# KiCad board mainboard.kicad_pcb (continued)
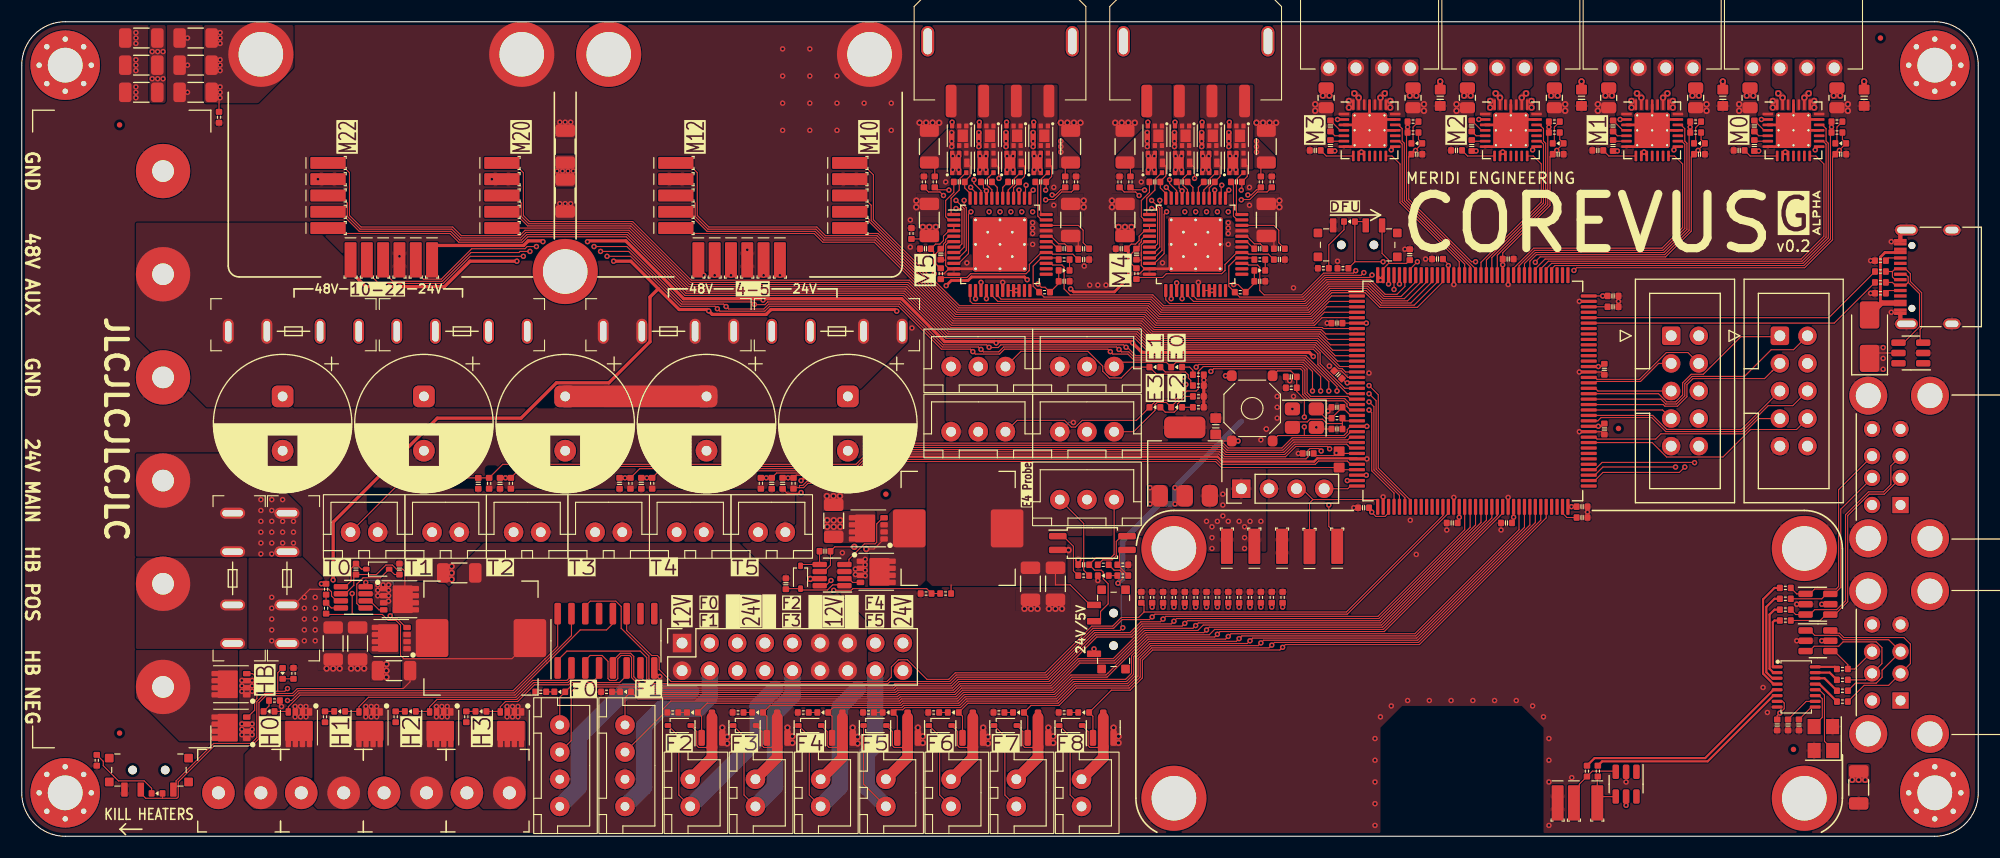
[diagram p0: board, top side]
## Copper pours and planes (outline as drawn; the poured copper is in the pictures) (continued)
GND on Top: 133.9,67.9 132.1,67.9 132.1,66.2 133.9,66.2
GND on Top: 120.9,67.9 119.1,67.9 119.1,66.2 120.9,66.2
GND on Top: 31.05,11 31.05,12.2 33.35,12.2 33.35,11
GND on Top: 32.1,16.25 33.85,16.25 33.85,14.25 32.1,14.25
GND on Top: 73.67,29.63 73.67,31.63 75.92,31.63 75.92,29.63
GND on Top: 102.7,64.05 100.3,64.05 100.3,66.05 102.7,66.05
GND on Top: 31.75,17.25 32.25,16.75 32.25,15.25 27.25,15.25 27.25,17.25
GND on Top: 88.05,10 88.95,10 88.95,8.1 88.05,8.1
GND on Top: 159.9,67.9 158.1,67.9 158.1,66.2 159.9,66.2
GND on Top: 20.25,14.95 21.15,14.95 21.15,12.65 20.25,12.65
GND on Top: 20.25,10.95 21.15,10.95 21.15,8.65 20.25,8.65
GND on Top: 100.05,10.05 100.95,10.05 100.95,8.15 100.05,8.15
GND on Top: 95.3,57.1 95.3,59.2 97.7,59.2 97.7,57.1
GND on Top: 97.7,64.05 95.3,64.05 95.3,66.05 97.7,66.05
GND on Top: 94.05,10.05 94.95,10.05 94.95,8.15 94.05,8.15
GND on Top: 84.7,64.05 82.3,64.05 82.3,66.05 84.7,66.05
GND on Top: 77.9,23.65 76.45,23.65 76.45,25.8 76.7,26.05 77.9,26.05
GND on Top: 82.05,10.05 82.95,10.05 82.95,8.15 82.05,8.15
GND on Top: 105.45,32.35 105.45,30.35 103.55,30.35 103.55,32.35
GND on Top: 49,65.75 51,65.75 51,64.25 49,64.25
GND on Top: 24.55,11 24.55,12.2 26.85,12.2 26.85,11
GND on Top: 34.15,23.5 34.1,23.55 32.4,23.55 32.4,21.3 32.6,21.1 34.15,21.1
GND on Top: 44.05,11 44.05,12.2 46.35,12.2 46.35,11
GND on Top: 37.55,11 37.55,12.2 39.85,12.2 39.85,11
GND on Top: 141.9,67.9 140.1,67.9 140.1,66.2 141.9,66.2
GND on Top: 146.9,67.9 145.1,67.9 145.1,66.2 146.9,66.2
GND on Top: 64.05,10 64.95,10 64.95,8.1 64.05,8.1
GND on Top: 102.7,57.1 102.7,59.2 100.3,59.2 100.3,57.1
GND on Top: 154.9,67.9 153.1,67.9 153.1,66.2 154.9,66.2
GND on Top: 37.85,25.25 39.85,25.25 39.85,23 37.85,23
GND on Top: 76.05,10 76.95,10 76.95,8.1 76.05,8.1
GND on Top: 8.75,74.75 11,74.75 11,67.25 8.75,67.25
GND on Top: 13.75,74.75 16,74.75 16,67.25 13.75,67.25
GND on Top: 113.3,57.1 113.3,59.2 115.7,59.2 115.7,57.1
GND on Top: 70.05,10.05 70.95,10.05 70.95,8.15 70.05,8.15
GND on Top: 84.7,57.1 84.7,59.2 82.3,59.2 82.3,57.1
GND on Top, Bottom, In1.Cu, In2.Cu: 0,75 0,0 180,0 180,75
GND on Bottom, In1.Cu, In2.Cu: 0,33 78,33 83.5,38.5 83.5,44.5 89.5,50.5 163,50.5 171,58.5 171,75 0,75
VDDA on Top: 71.4,32 71.4,34.05 42.7,34.05 42.7,32
VSSA on Top: 71.15,27.6 71.15,32 31.85,32 31.85,27.6 32.35,27.1 70.65,27.1
/Bed_H+ on Top, Bottom: 20.75,17.25 10.5,17.25 10.5,25.75 20.75,25.75
/Bed_H- on Top: 19.9,17.25 19.9,8.75 14.5,8.75 10.5,12.75 10.5,17.25
/F0_V+ on Bottom: 62.2,18.45 61.65,17.9 61.65,15.05 60.75,14.15 60.75,12.6 63.35,12.6 63.35,15.05 64.2,15.9 64.2,17.95 63.7,18.45
/F2_V+ on Bottom: 69.8,18.45 69.25,17.9 69.25,15.05 68.35,14.15 68.35,12.6 70.95,12.6 70.95,15.05 71.8,15.9 71.8,17.95 71.3,18.45
/F4_V+ on Bottom: 77.4,18.45 76.85,17.9 76.85,15.05 75.95,14.15 75.95,12.6 78.55,12.6 78.55,15.05 79.4,15.9 79.4,17.95 78.9,18.45
/Motor 0 (TMC2208)/A1 on Top: 164.7,68.8 165,69.1 165,71.6 163.1,71.6 163.1,66.8 164.7,66.8
/Motor 0 (TMC2208)/A2 on Top: 164.7,66.2 166.3,66.2 166.3,68.2 167.5,69.4 167.5,71.6 164.7,71.6
/Motor 0 (TMC2208)/B1 on Top: 161.3,68.8 161,69.1 161,71.6 162.9,71.6 162.9,66.8 161.3,66.8
/Motor 0 (TMC2208)/B2 on Top: 161.3,66.2 159.7,66.2 159.7,68.2 158.5,69.4 158.5,71.6 161.3,71.6
/Motor 0 (TMC2208)/BRA on Top: 166.4,68.9 166.4,67.9 167.6,67.9 167.6,68.9
/Motor 0 (TMC2208)/BRA on Top: 163.7,66.8 163.7,68.2 164.2,68.7 164.7,68.7 164.7,66.8
/Motor 0 (TMC2208)/BRA on In1.Cu: 167.6,67.4 167.6,70.5 163.1,70.5 163.1,67.4
/Motor 0 (TMC2208)/BRB on Top: 158.4,68.9 158.4,67.9 159.6,67.9 159.6,68.9
/Motor 0 (TMC2208)/BRB on Top: 162.3,66.8 162.3,68.2 161.8,68.7 161.3,68.7 161.3,66.8
/Motor 0 (TMC2208)/BRB on In1.Cu: 162.9,67.4 162.9,70.5 158.4,70.5 158.4,67.4
/Motor 1 (TMC2208)/A1 on Top: 151.7,68.8 152,69.1 152,71.6 150.1,71.6 150.1,66.8 151.7,66.8
/Motor 1 (TMC2208)/A2 on Top: 151.7,66.2 153.3,66.2 153.3,68.2 154.5,69.4 154.5,71.6 151.7,71.6
/Motor 1 (TMC2208)/B1 on Top: 148.3,68.8 148,69.1 148,71.6 149.9,71.6 149.9,66.8 148.3,66.8
/Motor 1 (TMC2208)/B2 on Top: 148.3,66.2 146.7,66.2 146.7,68.2 145.5,69.4 145.5,71.6 148.3,71.6
/Motor 1 (TMC2208)/BRA on Top: 150.7,66.8 150.7,68.2 151.2,68.7 151.7,68.7 151.7,66.8
/Motor 1 (TMC2208)/BRA on Top: 153.4,68.9 153.4,67.9 154.6,67.9 154.6,68.9
/Motor 1 (TMC2208)/BRA on In1.Cu: 154.6,67.4 154.6,70.5 150.1,70.5 150.1,67.4
/Motor 1 (TMC2208)/BRB on Top: 145.4,68.9 145.4,67.9 146.6,67.9 146.6,68.9
/Motor 1 (TMC2208)/BRB on Top: 149.3,66.8 149.3,68.2 148.8,68.7 148.3,68.7 148.3,66.8
/Motor 1 (TMC2208)/BRB on In1.Cu: 149.9,67.4 149.9,70.5 145.4,70.5 145.4,67.4
/Motor 2 (TMC2208)/A1 on Top: 138.7,68.8 139,69.1 139,71.6 137.1,71.6 137.1,66.8 138.7,66.8
/Motor 2 (TMC2208)/A2 on Top: 138.7,66.2 140.3,66.2 140.3,68.2 141.5,69.4 141.5,71.6 138.7,71.6
/Motor 2 (TMC2208)/B1 on Top: 135.3,68.8 135,69.1 135,71.6 136.9,71.6 136.9,66.8 135.3,66.8
/Motor 2 (TMC2208)/B2 on Top: 135.3,66.2 133.7,66.2 133.7,68.2 132.5,69.4 132.5,71.6 135.3,71.6
/Motor 2 (TMC2208)/BRA on Top: 137.7,66.8 137.7,68.2 138.2,68.7 138.7,68.7 138.7,66.8
/Motor 2 (TMC2208)/BRA on Top: 140.4,68.9 140.4,67.9 141.6,67.9 141.6,68.9
/Motor 2 (TMC2208)/BRA on In1.Cu: 141.6,67.4 141.6,70.5 137.1,70.5 137.1,67.4
/Motor 2 (TMC2208)/BRB on Top: 136.3,66.8 136.3,68.2 135.8,68.7 135.3,68.7 135.3,66.8
/Motor 2 (TMC2208)/BRB on Top: 132.4,68.9 132.4,67.9 133.6,67.9 133.6,68.9
/Motor 2 (TMC2208)/BRB on In1.Cu: 136.9,67.4 136.9,70.5 132.4,70.5 132.4,67.4
/Motor 3 (TMC2208)/A1 on Top: 125.7,68.8 126,69.1 126,71.6 124.1,71.6 124.1,66.8 125.7,66.8
/Motor 3 (TMC2208)/A2 on Top: 125.7,66.2 127.3,66.2 127.3,68.2 128.5,69.4 128.5,71.6 125.7,71.6
/Motor 3 (TMC2208)/B1 on Top: 122.3,68.8 122,69.1 122,71.6 123.9,71.6 123.9,66.8 122.3,66.8
/Motor 3 (TMC2208)/B2 on Top: 122.3,66.2 120.7,66.2 120.7,68.2 119.5,69.4 119.5,71.6 122.3,71.6
/Motor 3 (TMC2208)/BRA on Top: 127.4,68.9 127.4,67.9 128.6,67.9 128.6,68.9
/Motor 3 (TMC2208)/BRA on Top: 124.7,66.8 124.7,68.2 125.2,68.7 125.7,68.7 125.7,66.8
/Motor 3 (TMC2208)/BRA on In1.Cu: 128.6,67.4 128.6,70.5 124.1,70.5 124.1,67.4
/Motor 3 (TMC2208)/BRB on Top: 119.4,68.9 119.4,67.9 120.6,67.9 120.6,68.9
/Motor 3 (TMC2208)/BRB on Top: 123.3,66.8 123.3,68.2 122.8,68.7 122.3,68.7 122.3,66.8
/Motor 3 (TMC2208)/BRB on In1.Cu: 123.9,67.4 123.9,70.5 119.4,70.5 119.4,67.4
/Motor 4 (TMCx160)/Motor_A1 on Top: 110.8,65.05 110.8,69.2 108.4,69.2 108.4,65.05
/Motor 4 (TMCx160)/Motor_A1 on Top: 108.9,65.65 110.8,65.65 110.8,61.4 108.9,61.4
/Motor 4 (TMCx160)/Motor_A2 on Top: 111.4,65.65 113.3,65.65 113.3,61.4 111.4,61.4
/Motor 4 (TMCx160)/Motor_A2 on Top: 113.3,65.05 113.3,69.2 110.9,69.2 110.9,65.05
/Motor 4 (TMCx160)/Motor_B1 on Top: 105.8,65.05 105.8,69.2 103.4,69.2 103.4,65.05
/Motor 4 (TMCx160)/Motor_B1 on Top: 103.9,65.65 105.8,65.65 105.8,61.4 103.9,61.4
/Motor 4 (TMCx160)/Motor_B2 on Top: 106.4,65.65 108.3,65.65 108.3,61.4 106.4,61.4
/Motor 4 (TMCx160)/Motor_B2 on Top: 108.3,65.05 108.3,69.2 105.9,69.2 105.9,65.05
/Motor 5 (TMCx160)/Motor_A1 on Top: 92.8,65.05 92.8,69.2 90.4,69.2 90.4,65.05
/Motor 5 (TMCx160)/Motor_A1 on Top: 90.9,65.65 92.8,65.65 92.8,61.4 90.9,61.4
/Motor 5 (TMCx160)/Motor_A2 on Top: 95.3,65.05 95.3,69.2 92.9,69.2 92.9,65.05
/Motor 5 (TMCx160)/Motor_A2 on Top: 93.4,65.65 95.3,65.65 95.3,61.4 93.4,61.4
/Motor 5 (TMCx160)/Motor_B1 on Top: 85.9,65.65 87.8,65.65 87.8,61.4 85.9,61.4
/Motor 5 (TMCx160)/Motor_B1 on Top: 87.8,65.05 87.8,69.2 85.4,69.2 85.4,65.05
/Motor 5 (TMCx160)/Motor_B2 on Top: 88.4,65.65 90.3,65.65 90.3,61.4 88.4,61.4
/Motor 5 (TMCx160)/Motor_B2 on Top: 90.3,65.05 90.3,69.2 87.9,69.2 87.9,65.05
VMB on Top: 57.75,51 57.75,45.75 53.5,41.5 53.5,39.5 75,39.5 76,40.5 76.5,40.5 81.5,45.5 81.5,51
VMB on Top: 111.95,63.13 110.9,63.13 110.9,60.88 111.95,60.88
VMB on Top: 91.45,63.13 90.4,63.13 90.4,60.88 91.45,60.88
VMB on Top: 86.45,63.13 85.4,63.13 85.4,60.88 86.45,60.88
VMB on Top: 97.65,54.3 97.65,55.8 97.2,56.25 93.75,56.25 93.2,56.8 92.7,56.8 92.7,55.2 94.75,55.2 95.65,54.3
VMB on Top: 93.95,63.13 92.9,63.13 92.9,60.88 93.95,60.88
VMB on Top: 106.95,63.13 105.9,63.13 105.9,60.88 106.95,60.88
VMB on Top: 115.65,54.3 115.65,55.8 115.2,56.25 111.75,56.25 111.2,56.8 110.7,56.8 110.7,55.2 112.75,55.2 113.65,54.3
VMB on Top: 102.4,54.7 102.4,56.4 100.6,56.4 100.6,54.7
VMB on Top: 88.95,63.13 87.9,63.13 87.9,60.88 88.95,60.88
VMB on Top: 109.45,63.13 108.4,63.13 108.4,60.88 109.45,60.88
VMB on Top: 104.45,63.13 103.4,63.13 103.4,60.88 104.45,60.88
VMB on Top: 84.4,54.7 84.4,56.4 82.6,56.4 82.6,54.7
VMB on Bottom: 112.5,75 112.5,56.5 101,45 76,45 73.25,47.75 68.5,47.75 66,45.25 59.5,45.25 59.5,75
VMB on In1.Cu: 89.15,62.9 85.1,62.9 85.1,61.2 86.55,59.75 87.3,59.75 88,60.45 88.4,60.45 89.15,61.2
VMB on In1.Cu: 107.15,62.9 103.1,62.9 103.1,61.2 104.55,59.75 105.3,59.75 106,60.45 106.4,60.45 107.15,61.2
VMB on In1.Cu: 112.15,62.9 108.1,62.9 108.1,61.15 109.7,59.55 110,59.55 110.4,59.95 110.9,59.95 112.15,61.2
VMB on In1.Cu: 94.15,62.9 90.1,62.9 90.1,61.15 91.7,59.55 92,59.55 92.4,59.95 92.9,59.95 94.15,61.2
VMB on In2.Cu: 103.25,63.05 103.25,60.65 106.75,57.15 111.2,57.15 112.2,58.15 112.2,62.7 111.85,63.05
VMB on In2.Cu: 85.25,63.05 85.25,60.65 88.75,57.15 93.2,57.15 94.2,58.15 94.2,62.7 93.85,63.05
VMC on Top: 49,62.75 51,62.75 51,59.75 49,59.75
VMC on Top: 11.75,74.75 13.25,74.75 13.25,67.5 11.75,67.5
VMC on Top: 16.75,74.75 25,74.75 25,70.75 21.75,67.5 16.75,67.5
VMC on Bottom: 59.5,75 59.5,45.25 41.75,45.25 39.25,47.75 34,47.75 31.5,45.25 26.25,45.25 16.5,55 16.5,63 11,68.5 11,75
VMC on In2.Cu: 23,39.5 23,43.5 27.25,47.75 31.5,47.75 38,41.25 38,39.5
Net-(J3-Pin_2) on Top: 57.75,45.75 57.75,53 30,53 26.5,56.5 10.5,56.5 10.5,46 17,39.5 51.5,39.5
Net-(J3-Pin_2) on Bottom: 16.5,55 10,55 10,45.25 13,42.25 16,45.25 22.75,45.25 24.5,47
Net-(J3-Pin_4) on Top: 10.5,25.75 25.75,25.75 25.75,30.25 20.75,35.25 10.5,35.25
Net-(J3-Pin_4) on Bottom: 31.25,31.75 25.25,25.75 10,25.75 10,39.25 18.5,47.75 73.25,47.75 76,45 62.75,31.75
Net-(J20-Pin_2) on Top: 33.25,10.6 33.25,4.1 33.35,4 31.85,2.5 27.2,2.5 25.9,3.8 26.9,4.8 26.9,10.6
Net-(J21-Pin_2) on Top: 26.75,10.6 26.75,5.05 24.2,2.5 21.35,2.5 20.5,3.35 20.5,7.55 21.6,8.65 21.6,10.6
Net-(J22-Pin_2) on Top: 39.75,10.6 39.75,4.9 40.83,3.83 39.5,2.5 34.85,2.5 33.4,3.95 33.4,10.6
Net-(J23-Pin_2) on Top: 46.25,10.6 46.4,10.45 46.4,3.4 45.5,2.5 42.45,2.5 39.9,5.05 39.9,10.6
Net-(Q5-S-Pad4) on Top: 115.35,61.5 115.35,62.6 113.7,64.25 113.35,64.25 113.35,62.9 113.4,62.85 113.4,61.5
Net-(Q5-S-Pad4) on Bottom, In2.Cu: 112.5,65.75 113.9,64.35 113.9,62.7 112.5,62.7 112.15,63.05 108.25,63.05 108.25,65.75
Net-(Q5-S-Pad4) on In1.Cu: 111.1,65.75 112.15,64.7 112.15,62.9 108.1,62.9 108.1,65.25 108.6,65.75
Net-(Q11-S-Pad4) on Top: 103.9,65.1 103.9,61.5 100.65,61.5 100.65,62.6 103.15,65.1
Net-(Q11-S-Pad4) on Bottom, In2.Cu: 106.35,65.75 106.35,63.05 103.25,63.05 103.25,65.75
Net-(Q11-S-Pad4) on In1.Cu: 106.1,65.75 107.15,64.7 107.15,62.9 103.1,62.9 103.1,65.25 103.6,65.75
Net-(Q13-S-Pad4) on Top: 97.35,61.5 97.35,62.6 95.7,64.25 95.35,64.25 95.35,62.9 95.4,62.85 95.4,61.5
Net-(Q13-S-Pad4) on Bottom, In2.Cu: 94.3,65.75 95.9,64.15 95.9,62.7 94.2,62.7 93.85,63.05 90.25,63.05 90.25,65.75
Net-(Q13-S-Pad4) on In1.Cu: 93.1,65.75 94.15,64.7 94.15,62.9 90.1,62.9 90.1,65.25 90.6,65.75
Net-(Q17-S-Pad4) on Top: 85.9,65.1 85.9,61.5 82.65,61.5 82.65,62.6 85.15,65.1
Net-(Q17-S-Pad4) on Bottom, In2.Cu: 88.35,65.75 88.35,63.05 85.25,63.05 85.25,65.75
Net-(Q17-S-Pad4) on In1.Cu: 88.1,65.75 89.15,64.7 89.15,62.9 85.1,62.9 85.1,65.25 85.6,65.75
Net-(U5-PHASE) on Top: 83.15,30.1 80.2,30.1 79.45,29.35 79.25,29.35 78.65,28.75 78.65,27.1 78.5,26.95 77.95,26.95 77.95,23.05 82.65,23.05 83.15,23.55
Net-(U15-PHASE) on Top: 34.1,23.4 34.1,20.45 34.85,19.7 34.85,16.8 35.15,16.5 39.1,16.5 39.25,16.65 39.25,22.9 38.75,23.4

Small or netless copper shapes (teardrops, artwork), in the pictures only: 16 on Top

## Text on the board
B.Silkscreen: 12/24 | B2 | B1 | A1 | A2 | Motor 22 | Motor 20 | Motor 12 | Motor 10 | STEP | GND | DIR | EN | CS | 12V | SCK | MOSI | MISO | 3.3V | D1+ | D1- | D3+ | D3- | Motor 3 | Motor 2 | Motor 1 | Motor 0 | F0 | FG | F1 | F2 | F3 | F4 | F5 | F6 | 24 | F7 | D2+ | D2- | D4+ | D4- | Motor 5 | Motor 4
F.Silkscreen: E4 Probe | 48V | 24V | 24V/5V | KILL HEATERS | ALPHA | DFU | MERIDI ENGINEERING | 5 | 6 | 7 | 8 | 9 | 10 | 12 | 14 | 16 | 18 | 20 | F0 | F1 | F2 | F3 | F4 | F5 | 10-22 | 4-5 | v0.2 | M22 | M20 | 12V | M12 | M10 | 24V MAIN | GND | 48V AUX | HB POS | HB NEG | M3 | M2 | M1 | M0 | T0 | T1 | T2 | T3 | T4 | T5 | F6 | F7 | F8 | E1 | E3 | E0 | E2 | H0 | H1 | H2 | H3 | M5 | M4 | HB | JLCJLCJLCJLC | G | COREVUS | 0123456789 | G1 | G0 | G3 | G2
